# Altium PCB PCB.PcbDoc
Units mil, origin at the board's own origin, x right, y up, seen from the top; angles counter-clockwise.
Board outline 1345 x 1250 mil, 2 copper layers (Top Layer, Bottom Layer); 3 components, 3 nets, 15 pads, 0 vias.
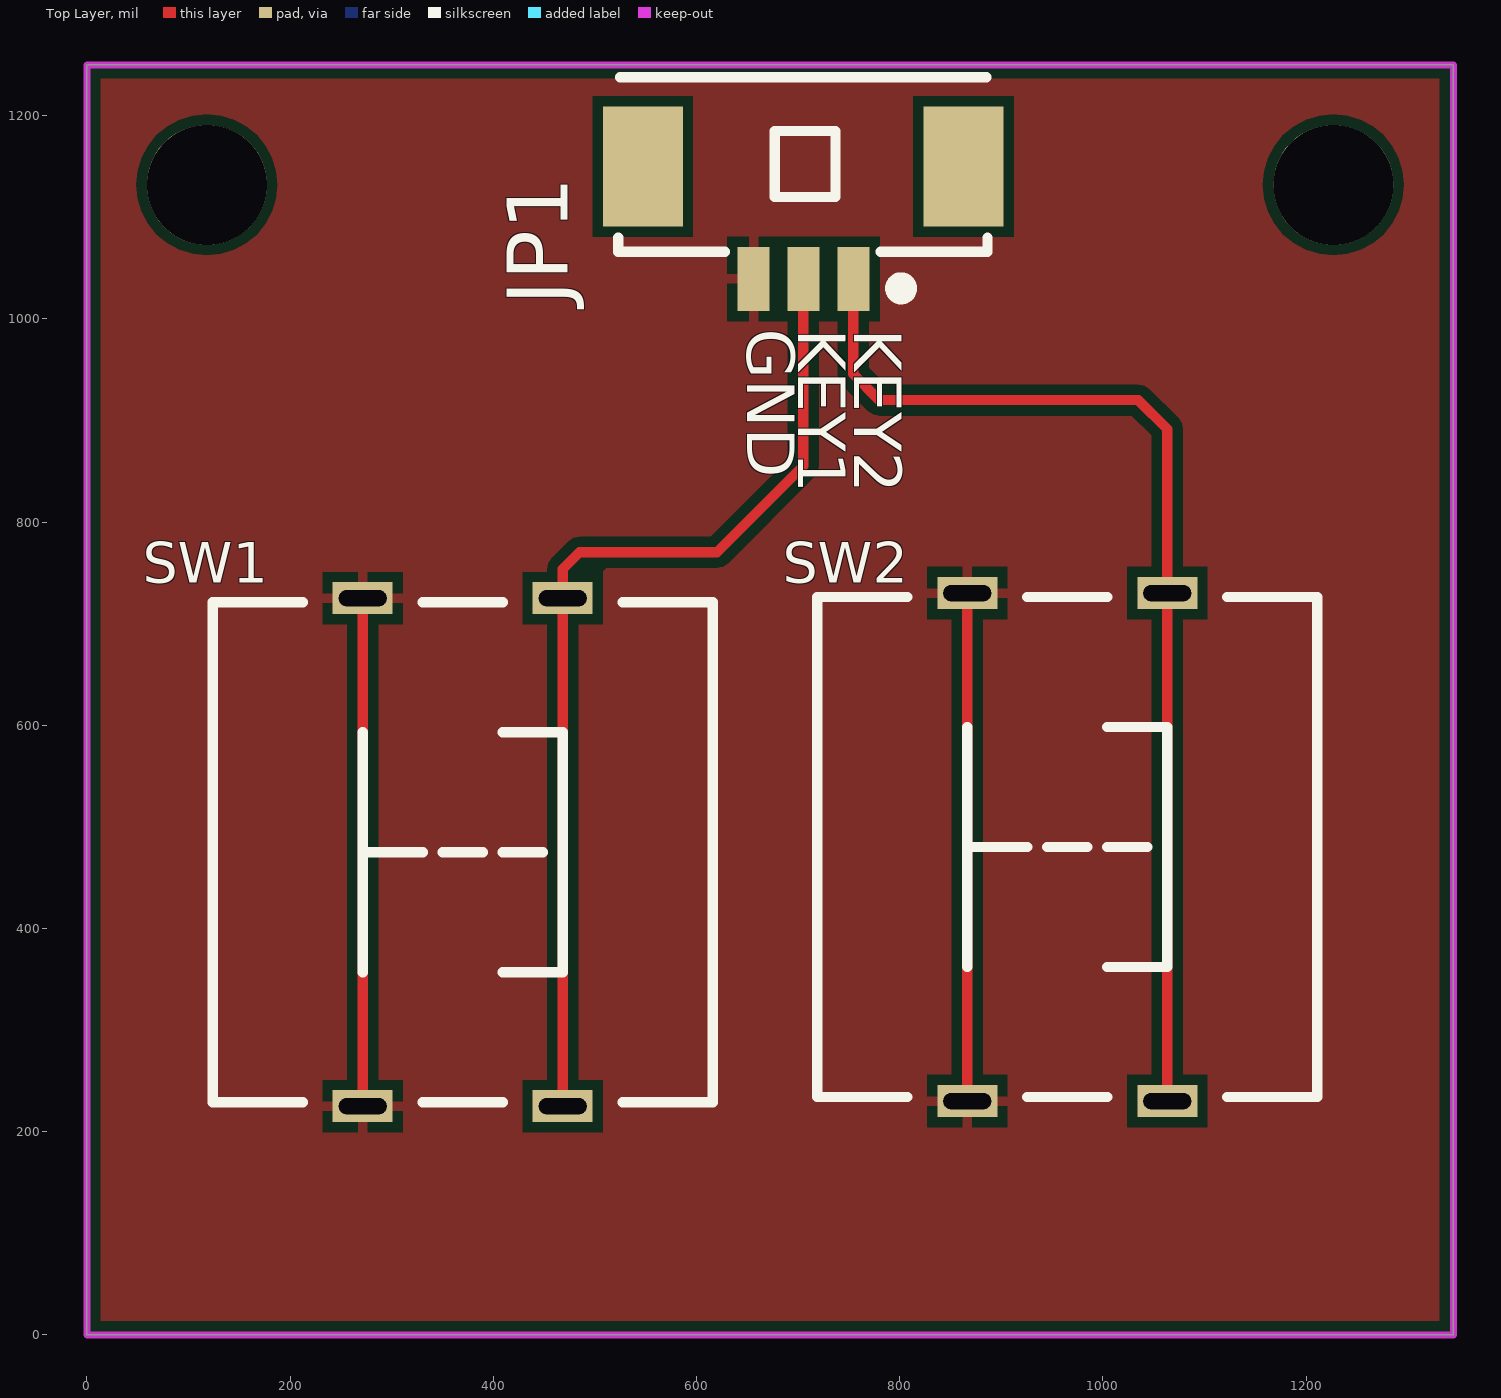
[diagram p0: Top Layer view]
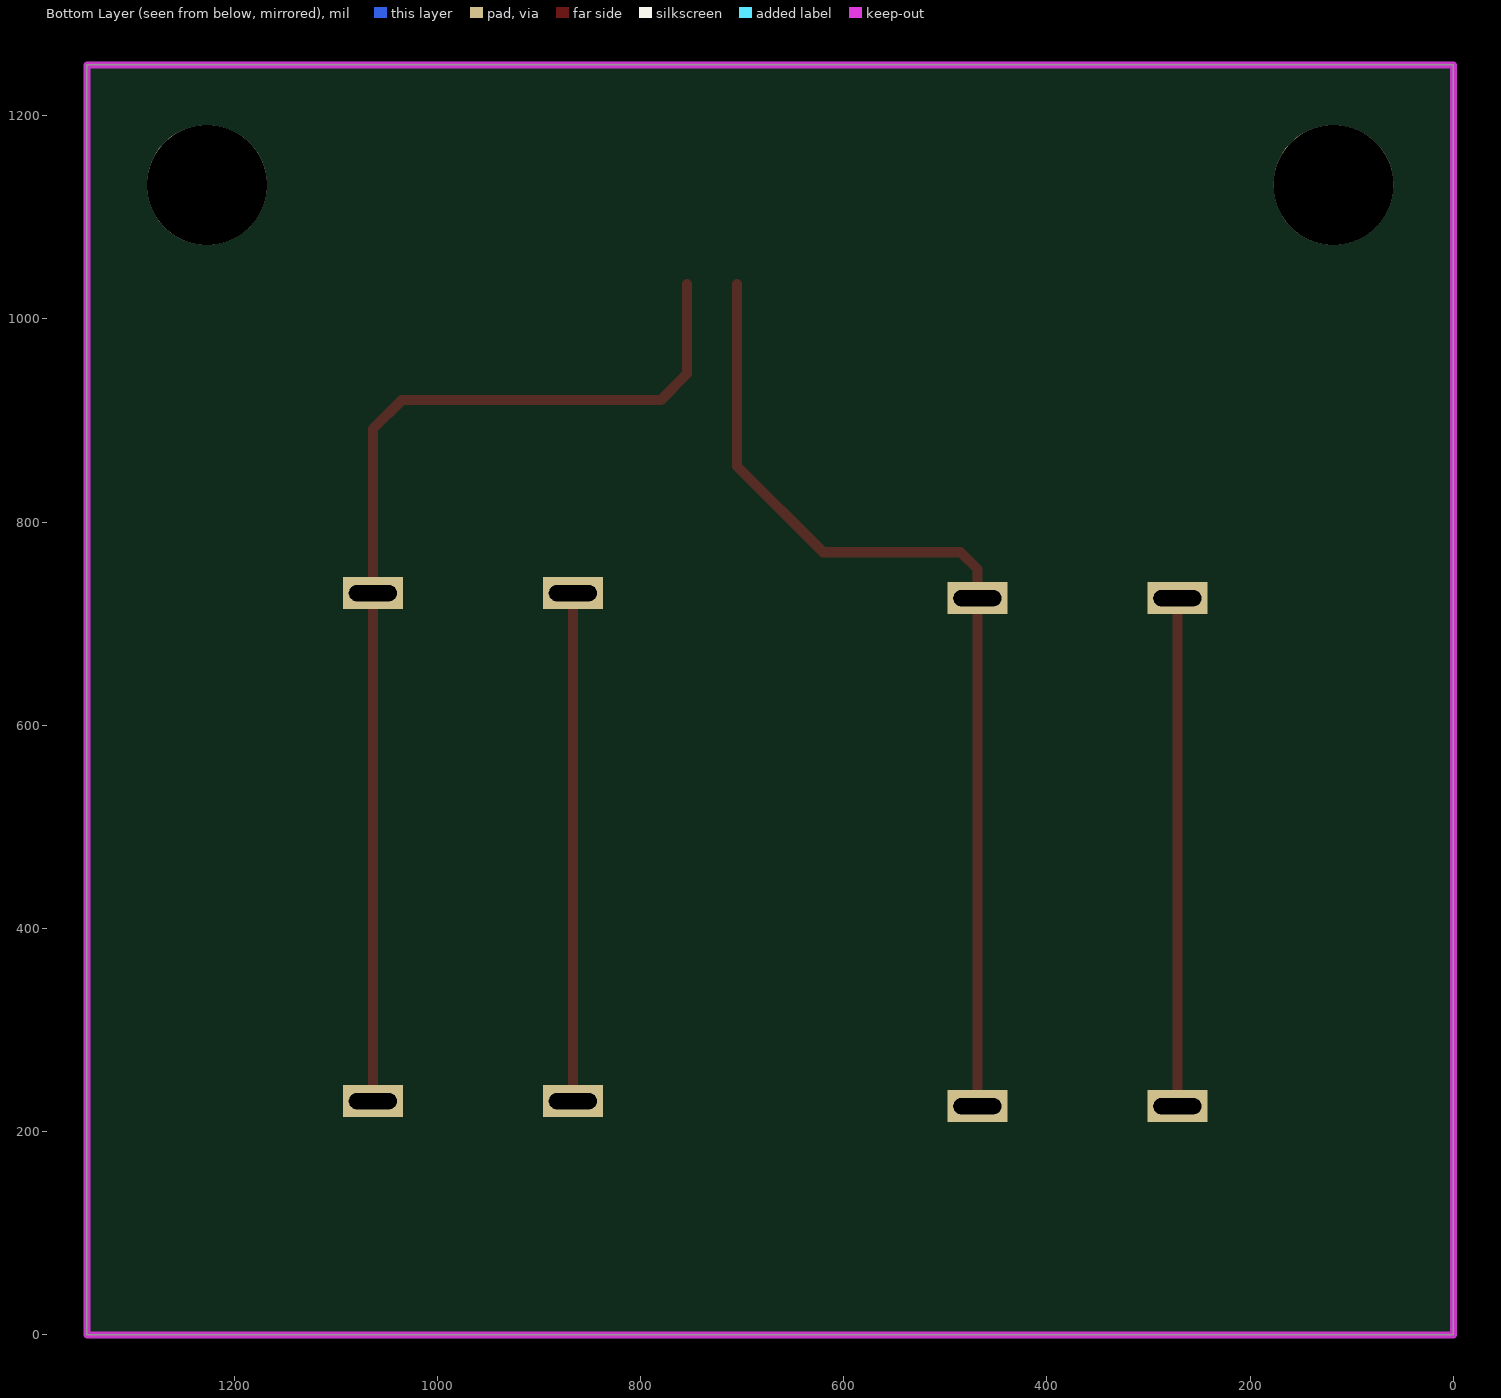
[diagram p1: Bottom Layer view, seen from below]
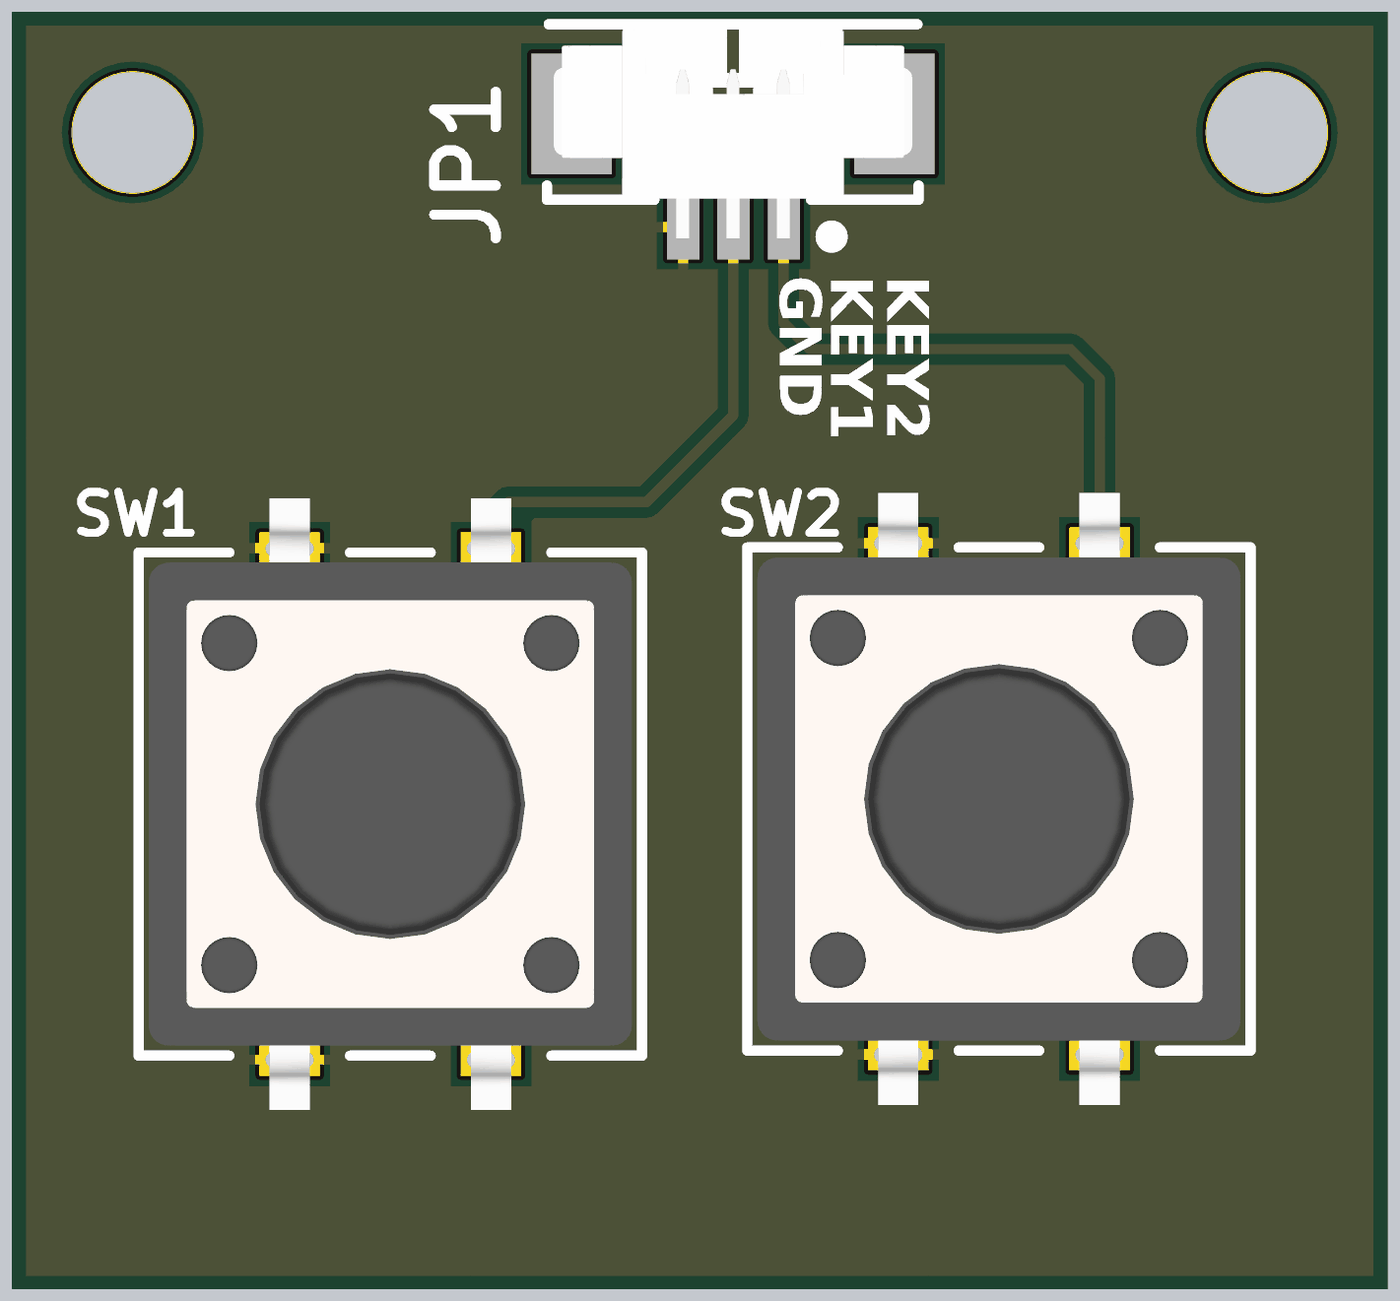
[diagram p2: 3D render of the assembled board from above, using the file's embedded part models]

## Layer stack, top to bottom
Top Layer: signal copper 1.4
Dielectric: dielectric 12.6, FR-4, Dk 4.8
Bottom Layer: signal copper 1.4

## Board outline
0,0 1345,0 1345,1250 0,1250

## Design rules (kind name [scope] priority, off if disabled: settings)
Clearance [All] p1: gap=10
PolygonConnect [All] p1: connectstyle=Relief reliefconductorwidth=10 reliefentries=4 polygonreliefangle="90 Angle"
RoutingVias [All] p1: holewidth=28 width=50 viastyle="Through Hole" minholewidth=28 minwidth=50 maxholewidth=28 maxwidth=50
SilkscreenOverComponentPads SilkToSolderMaskClearance [IsPad] p1: minsilkscreentomaskgap=10
SolderMaskExpansion [All] p1: expansion=4
Width [All] p1: maxlimit=10 minlimit=10 preferedwidth=10
27 further rules are at their usual default settings.

## Components (designator, comment, footprint, x,y, rotation, side; value= is the part's Value field where it differs from the comment)
JP1 "HDR-1X3" "MX 1.25-WS-3P" 705,1150 r180 top
SW1 "12x12x5" "TSW SMD-12*12*7" 370,475 r270 top
SW2 "12x12x5" "TSW SMD-12*12*7" 965,480 r270 top

## Footprints (in the part's own frame and the unit in brackets; to place one, negate y for a bottom-side part, rotate by r counter-clockwise, add the part's x,y. Pads: shape width x height; smd on the part's side, far side on the other; paste and mask are expansions set on the pad)
"MX 1.25-WS-3P" [mm] "长：8.9mm，宽：4.2mm，高：3.4mm"
  rect 2x3 smd: 0(-4.007,0) 0(4.007,0)
  rect 0.8x1.6 smd: 1(-1.264,2.811) 2(-0.014,2.811) 3(1.236,2.811)
  silkscreen extent -4.61,-2.23 4.62,3.25, body extent -4.45,-2.1 4.45,3.09, height 3.4
"TSW SMD-12*12*7" [mm] "12*12*7mm"
  rect 0.8x1.5 hole 0.4 slot 1.2 at 90 deg: 1(-6.35,2.5) 2(-6.35,-2.5) 3(6.35,-2.5) 4(6.35,2.5)
  silkscreen extent -6.25,-6.25 6.25,6.25, body extent -7.6,-6 7.6,6, height 7.15

## Part data
JP1: library part "Header 3", "3P接插件"
SW1 SW2: library part "TSW SMD-12x12", "贴片12x12轻触开关"

## Free pads (board coordinates)
  round 118.11 hole 118.11: 2(118.11,1131.89) 3(1226.89,1131.89)

## Nets (pads, with @x,y where several pads share a name; then routed paths per layer and width w, separated by ;. In a path a pad name is that pad's centre, name@x,y a point inside that pad or via, vN(x,y) a via of type N, cw(c..) or ccw(c..) an arc to the next point about the centre after c; other vN are vias at no path point)
GND: JP1.3 SW1.2 SW1.3 SW2.2 SW2.3 | length 1000
  Top Layer w10: SW1.3 SW1.2 ; SW2.3 SW2.2
KEY1: JP1.2 SW1.1 SW1.4 | length 986.6
  Top Layer w10: SW1.4 SW1.1 468.43,753.7 485,770.28 620.28,770.28 705.15,855.15 JP1.2@705.15,1034.35
KEY2: JP1.1 SW2.1 SW2.4 | length 1081.7
  Top Layer w10: JP1.1@754.36,1034.35 754.36,945.64 780,920 1035,920 1063.43,891.57 1063.43,775.28 SW2.4
pads on no net: JP1.0

## Polygon pours and split planes (outlines as drawn)
GND on Top Layer "Top Layer-No Net" (solid, remove dead copper, pour order 2): -100,-85 -70,-55 1550,-55 1550,1125 1345,1330 1330,1345 -40,1345

## Keep-outs
Keep-Out Layer:
  the board outline again, w7

## Silkscreen, mask and mechanical layers (free items; w line width, h text height)
Top Overlay:
  text "GND" at 635,990 h80 r270
  text "KEY1" at 685,990 h80 r270
  text "KEY2" at 740,990 h80 r270